# KiCad board SparkFun_BlueSMiRF-ESP32_panelized.kicad_pcb
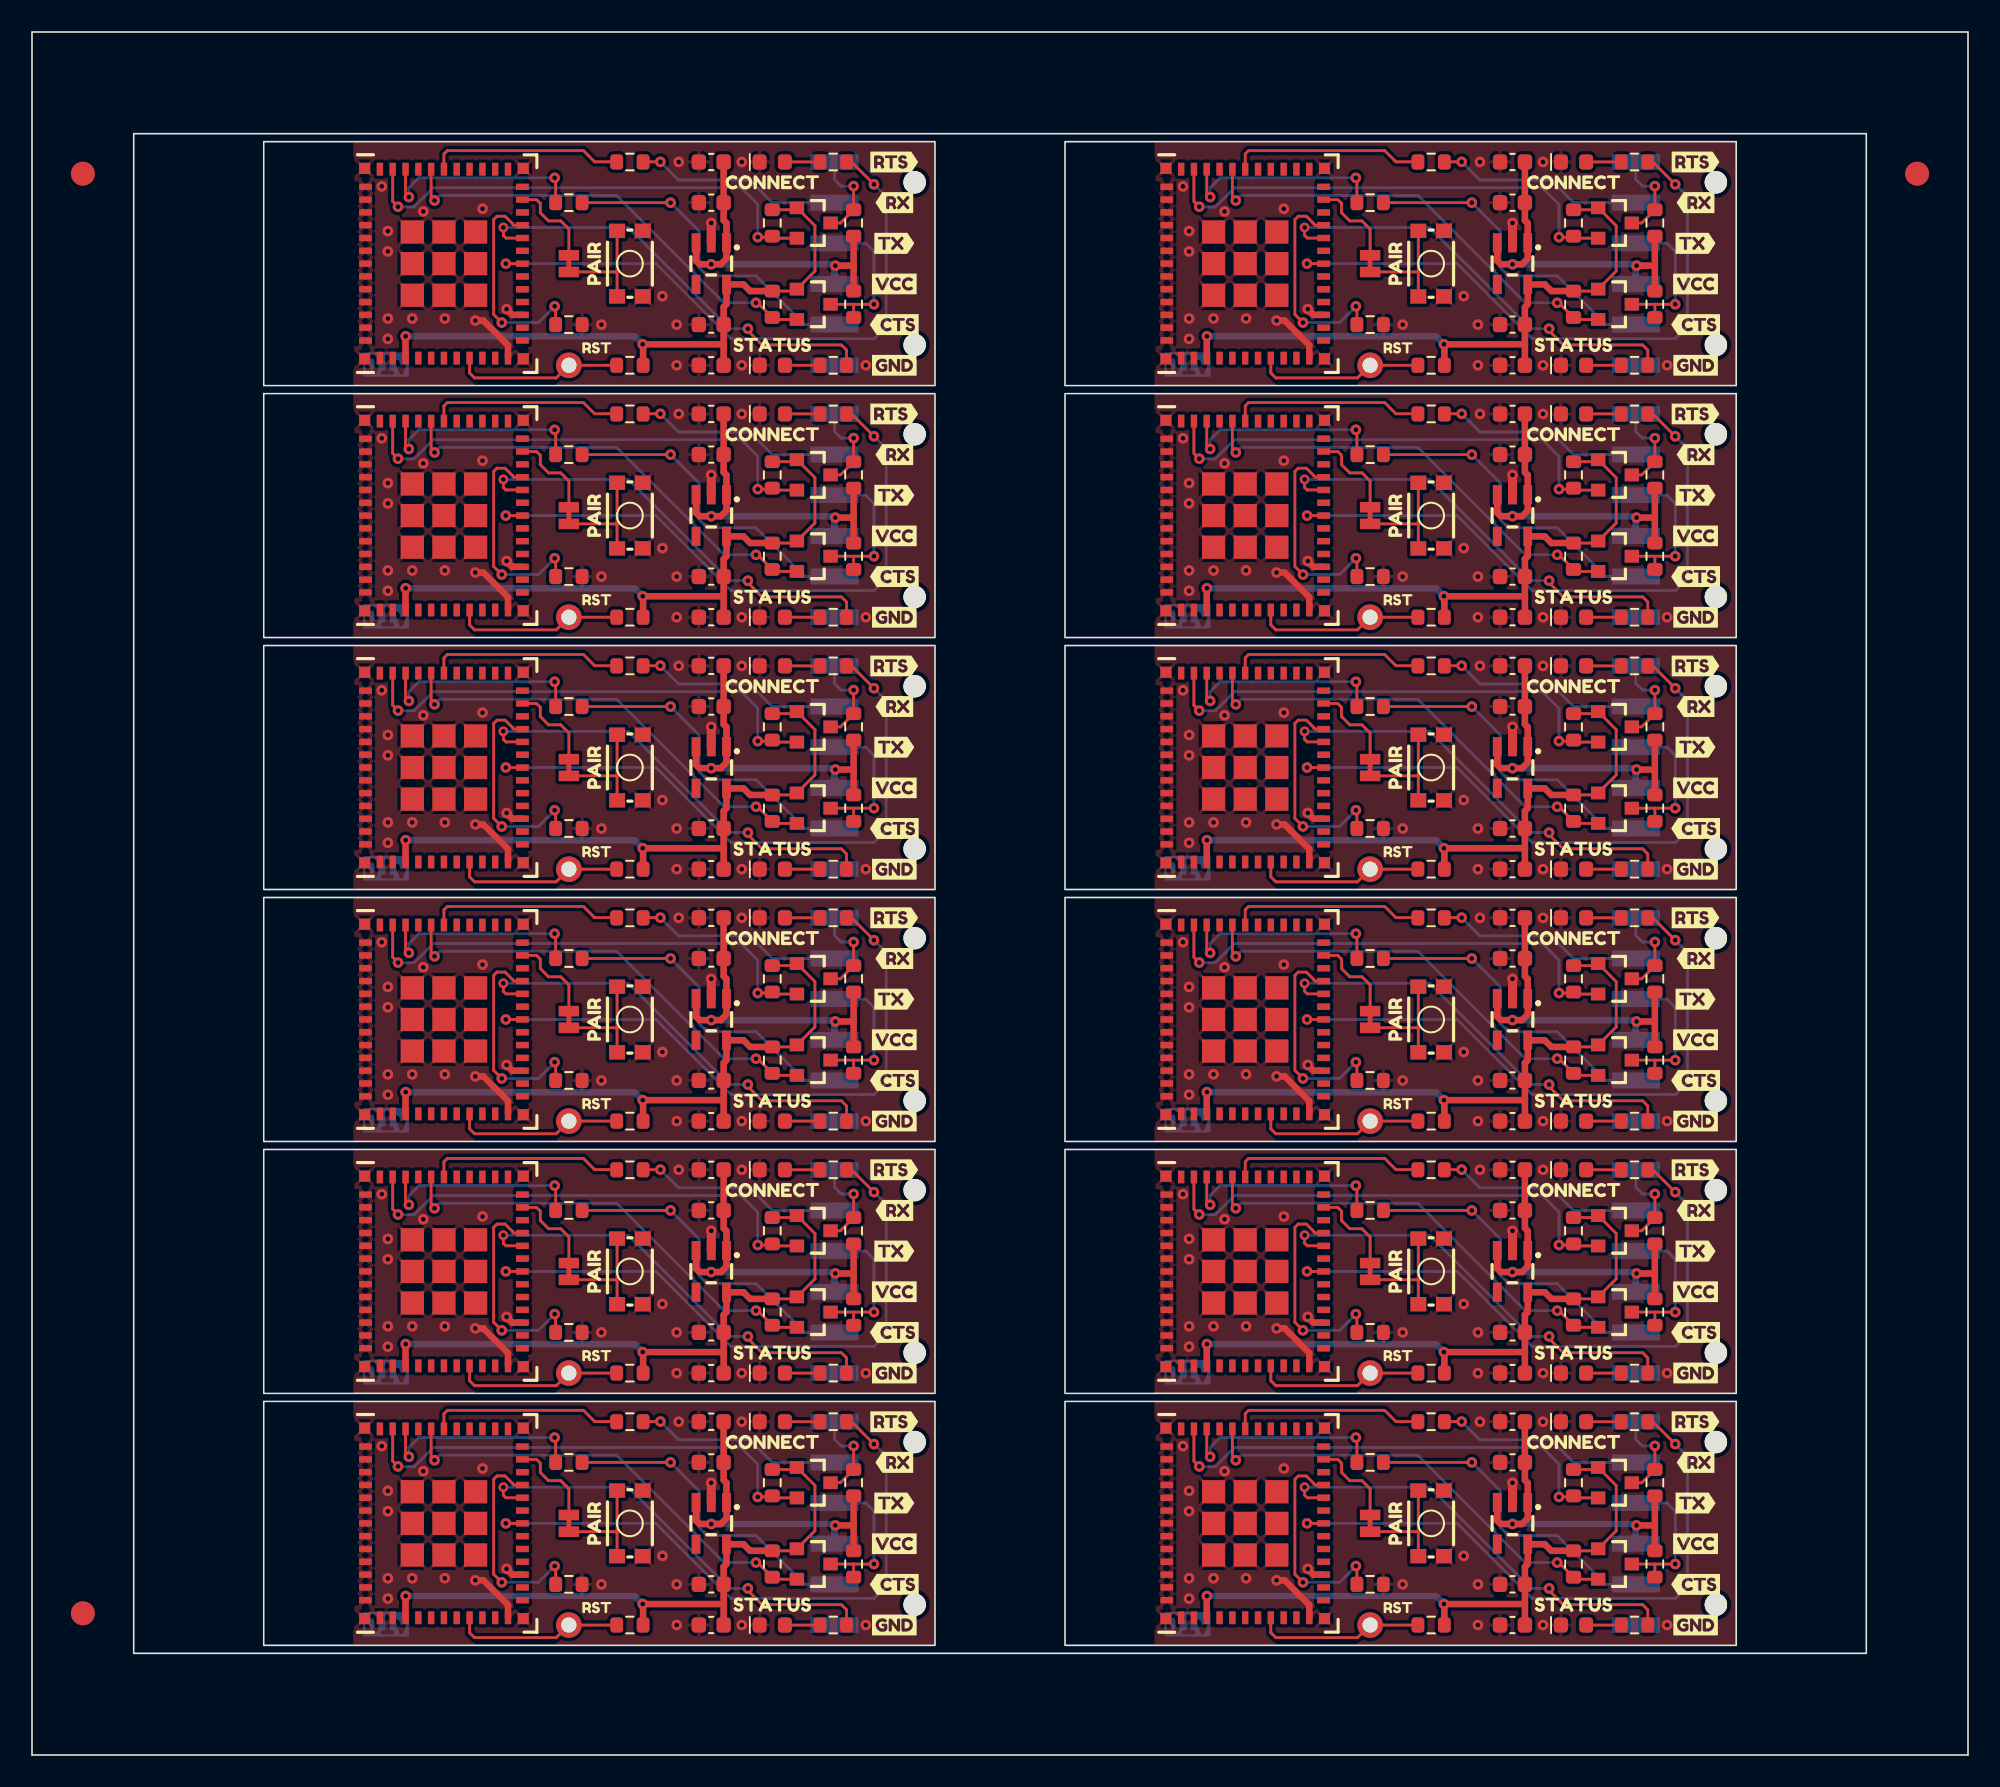
[diagram p0: board, top side]
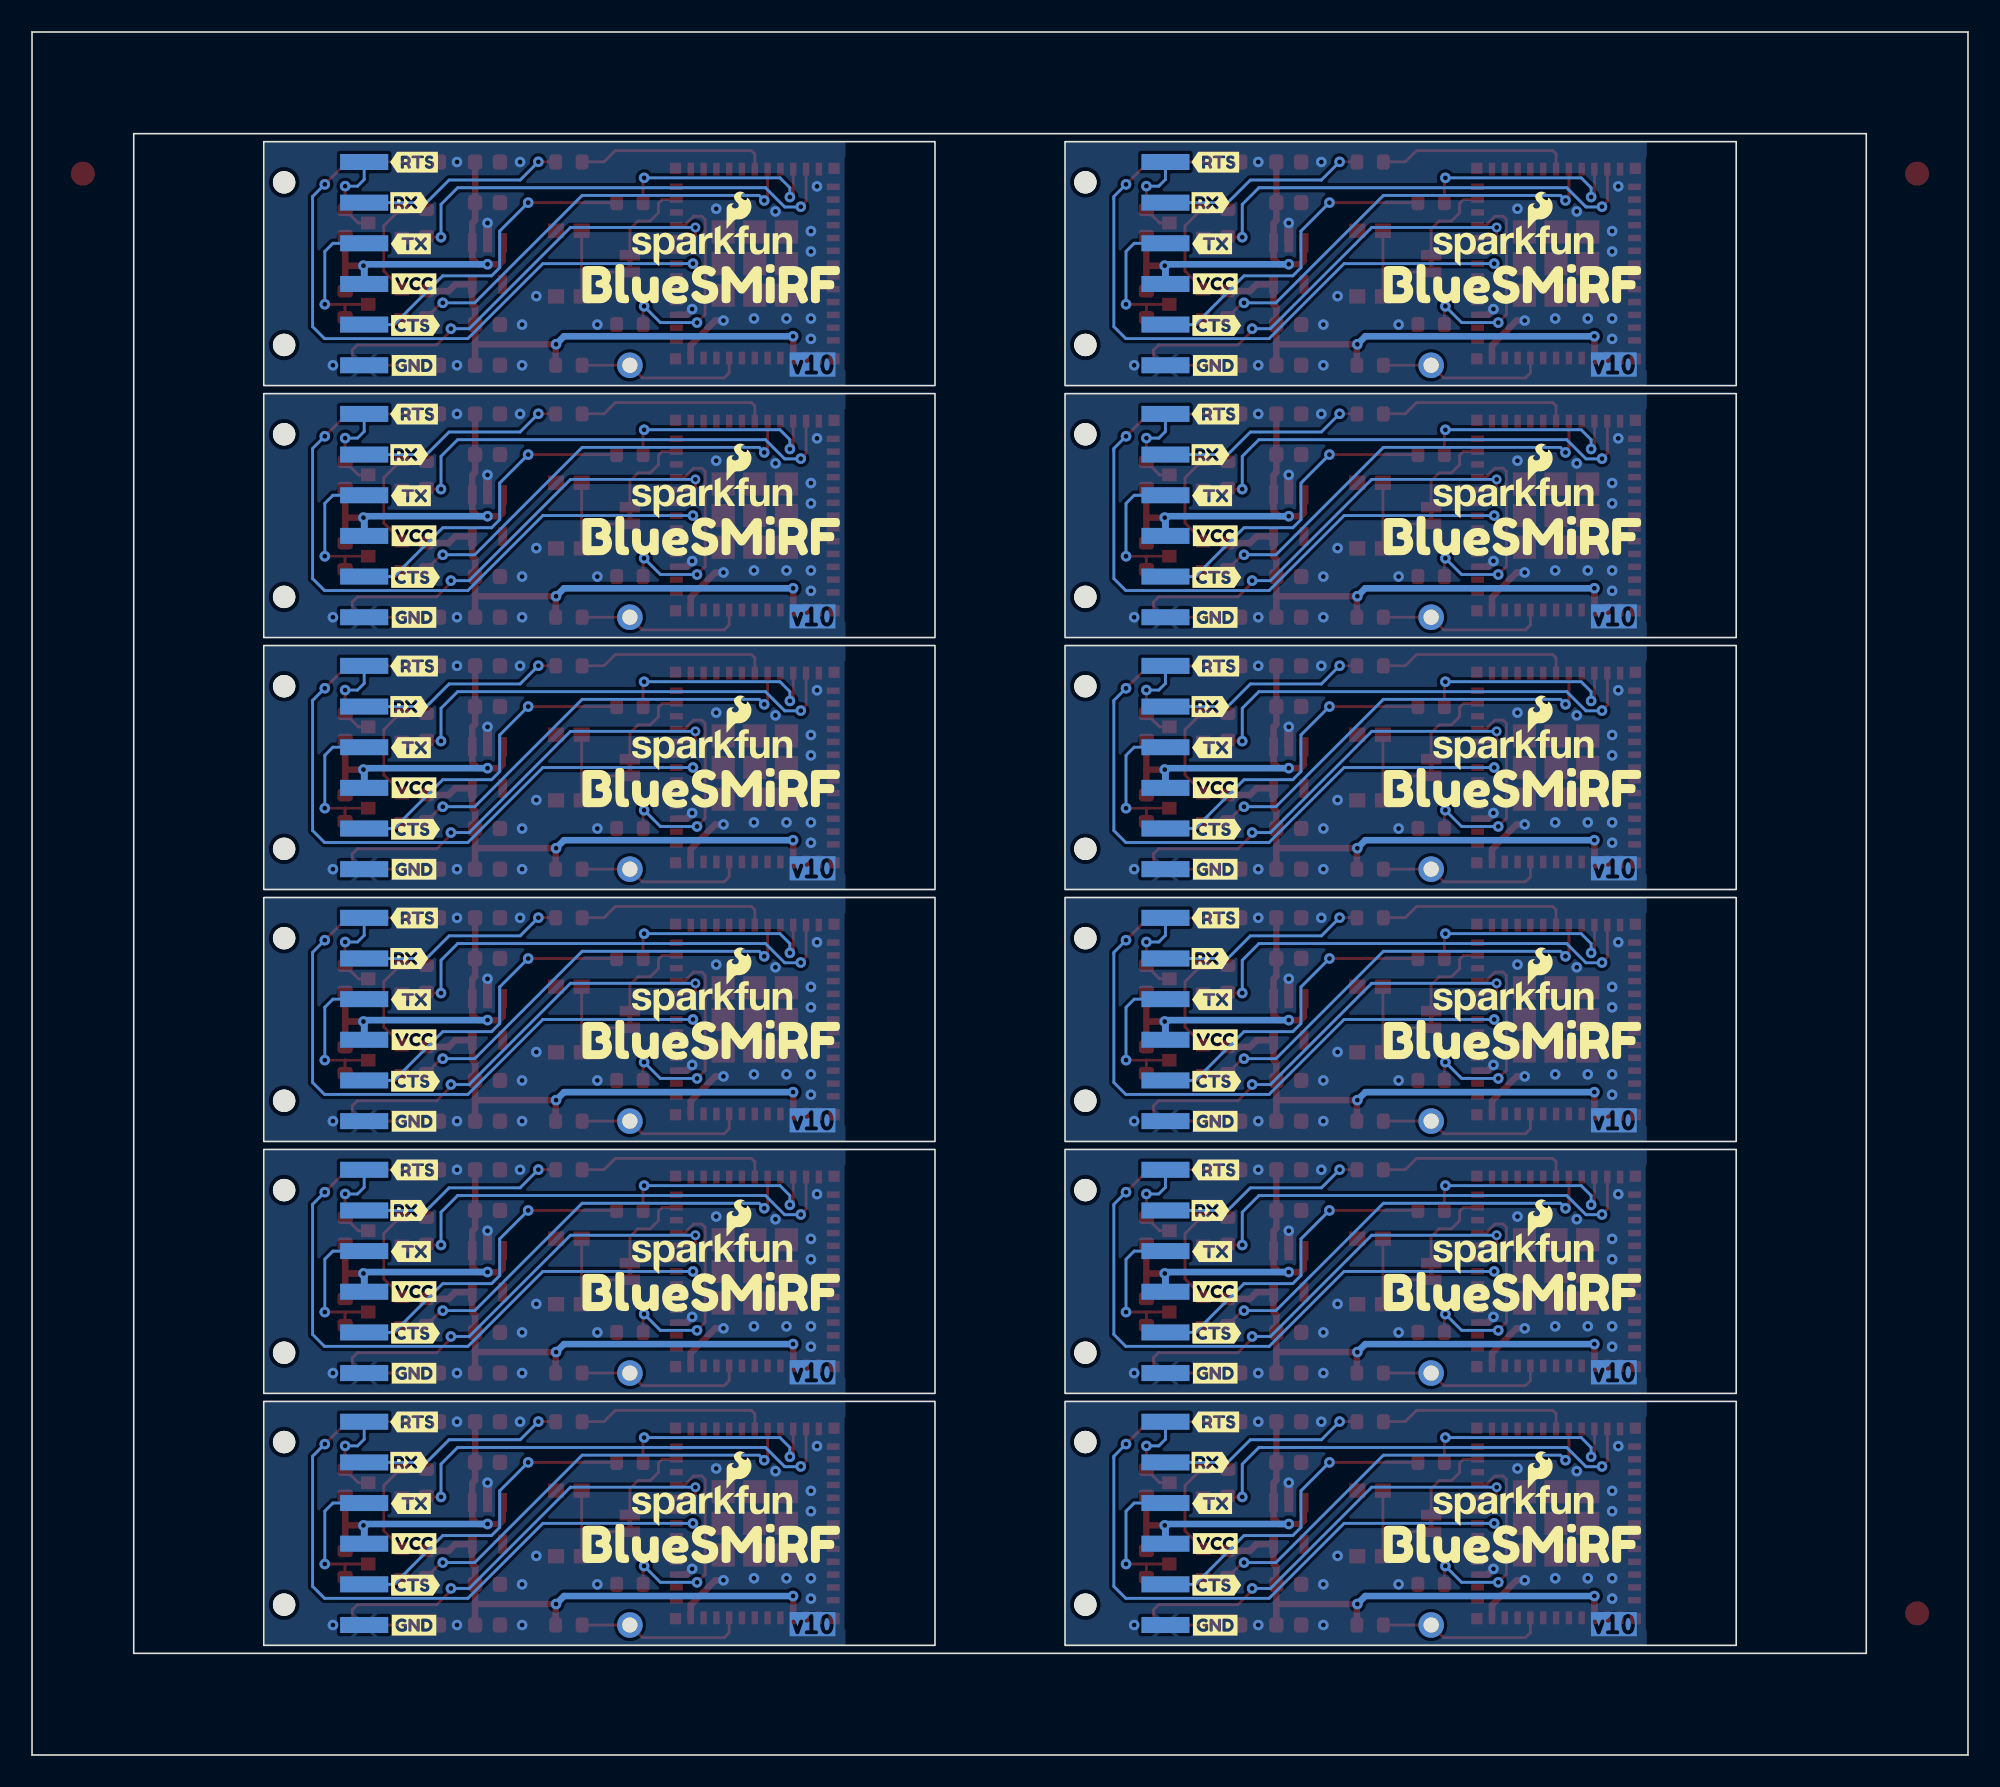
[diagram p1: board, bottom side, seen from below]

Outline 120.88 x 107.64 mm; copper layers: Top, Bottom. Coordinates in mm from the lower left corner of the outline.
Outline path: rectangle 14.47,100.79 56.38,85.55 ; rectangle 14.47,85.05 56.38,69.81 ; rectangle 14.47,69.31 56.38,54.07 ; rectangle 14.47,53.57 56.38,38.33 ; rectangle 14.47,37.83 56.38,22.59 ; rectangle 14.47,22.09 56.38,6.85 ; rectangle 64.5,100.79 106.41,85.55 ; rectangle 64.5,85.05 106.41,69.81 ; rectangle 64.5,69.31 106.41,54.07 ; rectangle 64.5,53.57 106.41,38.33 ; rectangle 64.5,37.83 106.41,22.59 ; rectangle 64.5,22.09 106.41,6.85 ; 0,107.64 120.88,107.64 120.88,0 0,0 0,107.64 ; 6.35,101.29 114.53,101.29 114.53,6.35 6.35,6.35 6.35,101.29
Stack: Top 0.035mm / dielectric 1.51mm FR4 er 4.5 / Bottom 0.035mm

## Placement (name value [footprint] x y rotation side)
C1  10uF  [C_0603_1608Metric]  42.41 18.28 180 top
C1#2  10uF  [C_0603_1608Metric]  92.44 34.02 180 top
C1#3  10uF  [C_0603_1608Metric]  42.41 65.5 180 top
C1#4  10uF  [C_0603_1608Metric]  42.41 49.76 180 top
C1#5  10uF  [C_0603_1608Metric]  42.41 34.02 180 top
C1#6  10uF  [C_0603_1608Metric]  42.41 81.24 180 top
C1#7  10uF  [C_0603_1608Metric]  42.41 96.98 180 top
C1#8  10uF  [C_0603_1608Metric]  92.44 49.76 180 top
C1#9  10uF  [C_0603_1608Metric]  92.44 65.5 180 top
C1#10  10uF  [C_0603_1608Metric]  92.44 81.24 180 top
C1#11  10uF  [C_0603_1608Metric]  92.44 18.28 180 top
C1#12  10uF  [C_0603_1608Metric]  92.44 96.98 180 top
C2  1.0uF  [C_0603_1608Metric]  42.41 8.12 180 top
C2#2  1.0uF  [C_0603_1608Metric]  42.41 39.6 180 top
C2#3  1.0uF  [C_0603_1608Metric]  92.44 71.08 180 top
C2#4  1.0uF  [C_0603_1608Metric]  42.41 55.34 180 top
C2#5  1.0uF  [C_0603_1608Metric]  92.44 8.12 180 top
C2#6  1.0uF  [C_0603_1608Metric]  42.41 86.82 180 top
C2#7  1.0uF  [C_0603_1608Metric]  92.44 39.6 180 top
C2#8  1.0uF  [C_0603_1608Metric]  42.41 71.08 180 top
C2#9  1.0uF  [C_0603_1608Metric]  92.44 55.34 180 top
C2#10  1.0uF  [C_0603_1608Metric]  42.41 23.86 180 top
C2#11  1.0uF  [C_0603_1608Metric]  92.44 23.86 180 top
C2#12  1.0uF  [C_0603_1608Metric]  92.44 86.82 180 top
C3  1.0uF  [C_0603_1608Metric]  42.41 20.82 180 top
C3#2  1.0uF  [C_0603_1608Metric]  42.41 36.56 180 top
C3#3  1.0uF  [C_0603_1608Metric]  42.41 68.04 180 top
C3#4  1.0uF  [C_0603_1608Metric]  92.44 52.3 180 top
C3#5  1.0uF  [C_0603_1608Metric]  42.41 52.3 180 top
C3#6  1.0uF  [C_0603_1608Metric]  42.41 83.78 180 top
C3#7  1.0uF  [C_0603_1608Metric]  42.41 99.52 180 top
C3#8  1.0uF  [C_0603_1608Metric]  92.44 20.82 180 top
C3#9  1.0uF  [C_0603_1608Metric]  92.44 36.56 180 top
C3#10  1.0uF  [C_0603_1608Metric]  92.44 99.52 180 top
C3#11  1.0uF  [C_0603_1608Metric]  92.44 68.04 180 top
C3#12  1.0uF  [C_0603_1608Metric]  92.44 83.78 180 top
C5  10uF  [C_0603_1608Metric]  92.44 73.62 180 top
C5#2  10uF  [C_0603_1608Metric]  42.41 26.4 180 top
C5#3  10uF  [C_0603_1608Metric]  42.41 42.14 180 top
C5#4  10uF  [C_0603_1608Metric]  42.41 73.62 180 top
C5#5  10uF  [C_0603_1608Metric]  92.44 26.4 180 top
C5#6  10uF  [C_0603_1608Metric]  92.44 42.14 180 top
C5#7  10uF  [C_0603_1608Metric]  92.44 89.36 180 top
C5#8  10uF  [C_0603_1608Metric]  92.44 10.66 180 top
C5#9  10uF  [C_0603_1608Metric]  92.44 57.88 180 top
C5#10  10uF  [C_0603_1608Metric]  42.41 89.36 180 top
C5#11  10uF  [C_0603_1608Metric]  42.41 57.88 180 top
C5#12  10uF  [C_0603_1608Metric]  42.41 10.66 180 top
D1  Green  [LED_0603_1608Metric]  46.22 36.56 0 top
D1#2  Green  [LED_0603_1608Metric]  46.22 20.82 0 top
D1#3  Green  [LED_0603_1608Metric]  46.22 68.04 0 top
D1#4  Green  [LED_0603_1608Metric]  46.22 52.3 0 top
D1#5  Green  [LED_0603_1608Metric]  46.22 83.78 0 top
D1#6  Green  [LED_0603_1608Metric]  96.25 20.82 0 top
D1#7  Green  [LED_0603_1608Metric]  96.25 52.3 0 top
D1#8  Green  [LED_0603_1608Metric]  96.25 99.52 0 top
D1#9  Green  [LED_0603_1608Metric]  46.22 99.52 0 top
D1#10  Green  [LED_0603_1608Metric]  96.25 36.56 0 top
D1#11  Green  [LED_0603_1608Metric]  96.25 68.04 0 top
D1#12  Green  [LED_0603_1608Metric]  96.25 83.78 0 top
D2  Red  [LED_0603_1608Metric]  46.22 8.12 0 top
D2#2  Red  [LED_0603_1608Metric]  96.25 86.82 0 top
D2#3  Red  [LED_0603_1608Metric]  46.22 39.6 0 top
D2#4  Red  [LED_0603_1608Metric]  46.22 55.34 0 top
D2#5  Red  [LED_0603_1608Metric]  46.22 23.86 0 top
D2#6  Red  [LED_0603_1608Metric]  96.25 23.86 0 top
D2#7  Red  [LED_0603_1608Metric]  96.25 39.6 0 top
D2#8  Red  [LED_0603_1608Metric]  46.22 71.08 0 top
D2#9  Red  [LED_0603_1608Metric]  96.25 8.12 0 top
D2#10  Red  [LED_0603_1608Metric]  96.25 55.34 0 top
D2#11  Red  [LED_0603_1608Metric]  46.22 86.82 0 top
D2#12  Red  [LED_0603_1608Metric]  96.25 71.08 0 top
G2  OSHW_Logo  [Creative_Commons_License]  37.33 -5.85 0 top
G***  LOGO  [SparkFun_Logo_10mm]  28.44 15.74 180 bottom
G***#2  LOGO  [SparkFun_Logo_10mm]  28.44 31.48 180 bottom
G***#3  LOGO  [SparkFun_Logo_10mm]  28.44 94.44 180 bottom
G***#4  LOGO  [SparkFun_Logo_10mm]  28.44 47.22 180 bottom
G***#5  LOGO  [SparkFun_Logo_10mm]  28.44 62.96 180 bottom
G***#6  LOGO  [SparkFun_Logo_10mm]  28.44 78.7 180 bottom
G***#7  LOGO  [SparkFun_Logo_10mm]  78.47 31.48 180 bottom
G***#8  LOGO  [SparkFun_Logo_10mm]  78.47 47.22 180 bottom
G***#9  LOGO  [SparkFun_Logo_10mm]  78.47 62.96 180 bottom
G***#10  LOGO  [SparkFun_Logo_10mm]  78.47 78.7 180 bottom
G***#11  LOGO  [SparkFun_Logo_10mm]  78.47 94.44 180 bottom
G***#12  LOGO  [SparkFun_Logo_10mm]  78.47 15.74 180 bottom
J2  Conn_01x06  [1X06-SMD_RA_MALE]  55.11 14.47 270 bottom
J2#2  Conn_01x06  [1X06-SMD_RA_MALE]  55.11 30.21 270 bottom
J2#3  Conn_01x06  [1X06-SMD_RA_MALE]  105.14 45.95 270 bottom
J2#4  Conn_01x06  [1X06-SMD_RA_MALE]  55.11 45.95 270 bottom
J2#5  Conn_01x06  [1X06-SMD_RA_MALE]  105.14 14.47 270 bottom
J2#6  Conn_01x06  [1X06-SMD_RA_MALE]  105.14 61.69 270 bottom
J2#7  Conn_01x06  [1X06-SMD_RA_MALE]  105.14 77.43 270 bottom
J2#8  Conn_01x06  [1X06-SMD_RA_MALE]  55.11 61.69 270 bottom
J2#9  Conn_01x06  [1X06-SMD_RA_MALE]  55.11 93.17 270 bottom
J2#10  Conn_01x06  [1X06-SMD_RA_MALE]  55.11 77.43 270 bottom
J2#11  Conn_01x06  [1X06-SMD_RA_MALE]  105.14 93.17 270 bottom
J2#12  Conn_01x06  [1X06-SMD_RA_MALE]  105.14 30.21 270 bottom
JP1  ~  [SMT-JUMPER_2_NC_TRACE_NO-SILK]  33.52 77.43 90 top
JP1#2  ~  [SMT-JUMPER_2_NC_TRACE_NO-SILK]  83.55 77.43 90 top
JP1#3  ~  [SMT-JUMPER_2_NC_TRACE_NO-SILK]  83.55 93.17 90 top
JP1#4  ~  [SMT-JUMPER_2_NC_TRACE_NO-SILK]  33.52 93.17 90 top
JP1#5  ~  [SMT-JUMPER_2_NC_TRACE_NO-SILK]  83.55 61.69 90 top
JP1#6  ~  [SMT-JUMPER_2_NC_TRACE_NO-SILK]  83.55 14.47 90 top
JP1#7  ~  [SMT-JUMPER_2_NC_TRACE_NO-SILK]  83.55 30.21 90 top
JP1#8  ~  [SMT-JUMPER_2_NC_TRACE_NO-SILK]  33.52 61.69 90 top
JP1#9  ~  [SMT-JUMPER_2_NC_TRACE_NO-SILK]  83.55 45.95 90 top
JP1#10  ~  [SMT-JUMPER_2_NC_TRACE_NO-SILK]  33.52 45.95 90 top
JP1#11  ~  [SMT-JUMPER_2_NC_TRACE_NO-SILK]  33.52 30.21 90 top
JP1#12  ~  [SMT-JUMPER_2_NC_TRACE_NO-SILK]  33.52 14.47 90 top
kibuzzard-64C47E8F  G***  [kibuzzard-64C47E8F]  96.25 19.55 0 top
kibuzzard-64C47E8F#2  G***  [kibuzzard-64C47E8F]  46.22 35.29 0 top
kibuzzard-64C47E8F#3  G***  [kibuzzard-64C47E8F]  46.22 51.03 0 top
kibuzzard-64C47E8F#4  G***  [kibuzzard-64C47E8F]  46.22 82.51 0 top
kibuzzard-64C47E8F#5  G***  [kibuzzard-64C47E8F]  46.22 98.25 0 top
kibuzzard-64C47E8F#6  G***  [kibuzzard-64C47E8F]  46.22 66.77 0 top
kibuzzard-64C47E8F#7  G***  [kibuzzard-64C47E8F]  96.25 98.25 0 top
kibuzzard-64C47E8F#8  G***  [kibuzzard-64C47E8F]  96.25 51.03 0 top
kibuzzard-64C47E8F#9  G***  [kibuzzard-64C47E8F]  96.25 35.29 0 top
kibuzzard-64C47E8F#10  G***  [kibuzzard-64C47E8F]  96.25 66.77 0 top
kibuzzard-64C47E8F#11  G***  [kibuzzard-64C47E8F]  96.25 82.51 0 top
kibuzzard-64C47E8F#12  G***  [kibuzzard-64C47E8F]  46.22 19.55 0 top
kibuzzard-64C47E89  G***  [kibuzzard-64C47E89]  46.22 25.13 0 top
kibuzzard-64C47E89#2  G***  [kibuzzard-64C47E89]  46.22 56.61 0 top
kibuzzard-64C47E89#3  G***  [kibuzzard-64C47E89]  46.22 40.87 0 top
kibuzzard-64C47E89#4  G***  [kibuzzard-64C47E89]  46.22 72.35 0 top
kibuzzard-64C47E89#5  G***  [kibuzzard-64C47E89]  46.22 88.09 0 top
kibuzzard-64C47E89#6  G***  [kibuzzard-64C47E89]  96.25 40.87 0 top
kibuzzard-64C47E89#7  G***  [kibuzzard-64C47E89]  96.25 72.35 0 top
kibuzzard-64C47E89#8  G***  [kibuzzard-64C47E89]  96.25 88.09 0 top
kibuzzard-64C47E89#9  G***  [kibuzzard-64C47E89]  96.25 56.61 0 top
kibuzzard-64C47E89#10  G***  [kibuzzard-64C47E89]  96.25 25.13 0 top
kibuzzard-64C47E89#11  G***  [kibuzzard-64C47E89]  96.25 9.39 0 top
kibuzzard-64C47E89#12  G***  [kibuzzard-64C47E89]  46.22 9.39 0 top
kibuzzard-64C47F40  G***  [kibuzzard-64C47F40]  28.44 13.2 180 bottom
kibuzzard-64C47F40#2  G***  [kibuzzard-64C47F40]  28.44 44.68 180 bottom
kibuzzard-64C47F40#3  G***  [kibuzzard-64C47F40]  28.44 76.16 180 bottom
kibuzzard-64C47F40#4  G***  [kibuzzard-64C47F40]  78.47 44.68 180 bottom
kibuzzard-64C47F40#5  G***  [kibuzzard-64C47F40]  28.44 91.9 180 bottom
kibuzzard-64C47F40#6  G***  [kibuzzard-64C47F40]  78.47 28.94 180 bottom
kibuzzard-64C47F40#7  G***  [kibuzzard-64C47F40]  28.44 28.94 180 bottom
kibuzzard-64C47F40#8  G***  [kibuzzard-64C47F40]  78.47 13.2 180 bottom
kibuzzard-64C47F40#9  G***  [kibuzzard-64C47F40]  78.47 60.42 180 bottom
kibuzzard-64C47F40#10  G***  [kibuzzard-64C47F40]  28.44 60.42 180 bottom
kibuzzard-64C47F40#11  G***  [kibuzzard-64C47F40]  78.47 76.16 180 bottom
kibuzzard-64C47F40#12  G***  [kibuzzard-64C47F40]  78.47 91.9 180 bottom
kibuzzard-64C483A5  G***  [kibuzzard-64C483A5]  46.9 10.61 180 bottom
kibuzzard-64C483A5#2  G***  [kibuzzard-64C483A5]  96.93 10.61 180 bottom
kibuzzard-64C483A5#3  G***  [kibuzzard-64C483A5]  46.9 26.35 180 bottom
kibuzzard-64C483A5#4  G***  [kibuzzard-64C483A5]  46.9 42.09 180 bottom
kibuzzard-64C483A5#5  G***  [kibuzzard-64C483A5]  46.9 57.83 180 bottom
kibuzzard-64C483A5#6  G***  [kibuzzard-64C483A5]  46.9 73.57 180 bottom
kibuzzard-64C483A5#7  G***  [kibuzzard-64C483A5]  46.9 89.31 180 bottom
kibuzzard-64C483A5#8  G***  [kibuzzard-64C483A5]  96.93 42.09 180 bottom
kibuzzard-64C483A5#9  G***  [kibuzzard-64C483A5]  96.93 73.57 180 bottom
kibuzzard-64C483A5#10  G***  [kibuzzard-64C483A5]  96.93 26.35 180 bottom
kibuzzard-64C483A5#11  G***  [kibuzzard-64C483A5]  96.93 89.31 180 bottom
kibuzzard-64C483A5#12  G***  [kibuzzard-64C483A5]  96.93 57.83 180 bottom
kibuzzard-64C483E5  G***  [kibuzzard-64C483E5]  47 8.11 180 bottom
kibuzzard-64C483E5#2  G***  [kibuzzard-64C483E5]  47 39.59 180 bottom
kibuzzard-64C483E5#3  G***  [kibuzzard-64C483E5]  47 23.85 180 bottom
kibuzzard-64C483E5#4  G***  [kibuzzard-64C483E5]  47 71.07 180 bottom
kibuzzard-64C483E5#5  G***  [kibuzzard-64C483E5]  97.03 8.11 180 bottom
kibuzzard-64C483E5#6  G***  [kibuzzard-64C483E5]  97.03 55.33 180 bottom
kibuzzard-64C483E5#7  G***  [kibuzzard-64C483E5]  47 55.33 180 bottom
kibuzzard-64C483E5#8  G***  [kibuzzard-64C483E5]  97.03 23.85 180 bottom
kibuzzard-64C483E5#9  G***  [kibuzzard-64C483E5]  97.03 39.59 180 bottom
kibuzzard-64C483E5#10  G***  [kibuzzard-64C483E5]  97.03 71.07 180 bottom
kibuzzard-64C483E5#11  G***  [kibuzzard-64C483E5]  97.03 86.81 180 bottom
kibuzzard-64C483E5#12  G***  [kibuzzard-64C483E5]  47 86.81 180 bottom
kibuzzard-64C484A1  G***  [kibuzzard-64C484A1]  53.84 10.66 0 top
kibuzzard-64C484A1#2  G***  [kibuzzard-64C484A1]  53.84 26.4 0 top
kibuzzard-64C484A1#3  G***  [kibuzzard-64C484A1]  53.84 73.62 0 top
kibuzzard-64C484A1#4  G***  [kibuzzard-64C484A1]  103.87 10.66 0 top
kibuzzard-64C484A1#5  G***  [kibuzzard-64C484A1]  103.87 42.14 0 top
kibuzzard-64C484A1#6  G***  [kibuzzard-64C484A1]  103.87 73.62 0 top
kibuzzard-64C484A1#7  G***  [kibuzzard-64C484A1]  53.84 42.14 0 top
kibuzzard-64C484A1#8  G***  [kibuzzard-64C484A1]  103.87 89.36 0 top
kibuzzard-64C484A1#9  G***  [kibuzzard-64C484A1]  53.84 57.88 0 top
kibuzzard-64C484A1#10  G***  [kibuzzard-64C484A1]  53.84 89.36 0 top
kibuzzard-64C484A1#11  G***  [kibuzzard-64C484A1]  103.87 26.4 0 top
kibuzzard-64C484A1#12  G***  [kibuzzard-64C484A1]  103.87 57.88 0 top
kibuzzard-64C484B8  G***  [kibuzzard-64C484B8]  47 20.81 180 bottom
kibuzzard-64C484B8#2  G***  [kibuzzard-64C484B8]  47 36.55 180 bottom
kibuzzard-64C484B8#3  G***  [kibuzzard-64C484B8]  47 83.77 180 bottom
kibuzzard-64C484B8#4  G***  [kibuzzard-64C484B8]  47 68.03 180 bottom
kibuzzard-64C484B8#5  G***  [kibuzzard-64C484B8]  47 52.29 180 bottom
kibuzzard-64C484B8#6  G***  [kibuzzard-64C484B8]  97.03 20.81 180 bottom
kibuzzard-64C484B8#7  G***  [kibuzzard-64C484B8]  97.03 36.55 180 bottom
kibuzzard-64C484B8#8  G***  [kibuzzard-64C484B8]  97.03 99.51 180 bottom
kibuzzard-64C484B8#9  G***  [kibuzzard-64C484B8]  47 99.51 180 bottom
kibuzzard-64C484B8#10  G***  [kibuzzard-64C484B8]  97.03 68.03 180 bottom
kibuzzard-64C484B8#11  G***  [kibuzzard-64C484B8]  97.03 83.77 180 bottom
kibuzzard-64C484B8#12  G***  [kibuzzard-64C484B8]  97.03 52.29 180 bottom
kibuzzard-64C4837C  G***  [kibuzzard-64C4837C]  47 13.21 180 bottom
kibuzzard-64C4837C#2  G***  [kibuzzard-64C4837C]  97.03 44.69 180 bottom
kibuzzard-64C4837C#3  G***  [kibuzzard-64C4837C]  97.03 13.21 180 bottom
kibuzzard-64C4837C#4  G***  [kibuzzard-64C4837C]  47 60.43 180 bottom
kibuzzard-64C4837C#5  G***  [kibuzzard-64C4837C]  47 76.17 180 bottom
kibuzzard-64C4837C#6  G***  [kibuzzard-64C4837C]  47 44.69 180 bottom
kibuzzard-64C4837C#7  G***  [kibuzzard-64C4837C]  47 28.95 180 bottom
kibuzzard-64C4837C#8  G***  [kibuzzard-64C4837C]  47 91.91 180 bottom
kibuzzard-64C4837C#9  G***  [kibuzzard-64C4837C]  97.03 28.95 180 bottom
kibuzzard-64C4837C#10  G***  [kibuzzard-64C4837C]  97.03 60.43 180 bottom
kibuzzard-64C4837C#11  G***  [kibuzzard-64C4837C]  97.03 76.17 180 bottom
kibuzzard-64C4837C#12  G***  [kibuzzard-64C4837C]  97.03 91.91 180 bottom
kibuzzard-64C4844B  G***  [kibuzzard-64C4844B]  103.87 31.48 0 top
kibuzzard-64C4844B#2  G***  [kibuzzard-64C4844B]  103.87 47.22 0 top
kibuzzard-64C4844B#3  G***  [kibuzzard-64C4844B]  103.87 15.74 0 top
kibuzzard-64C4844B#4  G***  [kibuzzard-64C4844B]  103.87 62.96 0 top
kibuzzard-64C4844B#5  G***  [kibuzzard-64C4844B]  103.87 78.7 0 top
kibuzzard-64C4844B#6  G***  [kibuzzard-64C4844B]  103.87 94.44 0 top
kibuzzard-64C4844B#7  G***  [kibuzzard-64C4844B]  53.84 94.44 0 top
kibuzzard-64C4844B#8  G***  [kibuzzard-64C4844B]  53.84 47.22 0 top
kibuzzard-64C4844B#9  G***  [kibuzzard-64C4844B]  53.84 78.7 0 top
kibuzzard-64C4844B#10  G***  [kibuzzard-64C4844B]  53.84 31.48 0 top
kibuzzard-64C4844B#11  G***  [kibuzzard-64C4844B]  53.84 62.96 0 top
kibuzzard-64C4844B#12  G***  [kibuzzard-64C4844B]  53.84 15.74 0 top
kibuzzard-64C4846C  G***  [kibuzzard-64C4846C]  103.87 23.86 0 top
kibuzzard-64C4846C#2  G***  [kibuzzard-64C4846C]  53.84 8.12 0 top
kibuzzard-64C4846C#3  G***  [kibuzzard-64C4846C]  53.84 55.34 0 top
kibuzzard-64C4846C#4  G***  [kibuzzard-64C4846C]  53.84 39.6 0 top
kibuzzard-64C4846C#5  G***  [kibuzzard-64C4846C]  53.84 23.86 0 top
kibuzzard-64C4846C#6  G***  [kibuzzard-64C4846C]  53.84 71.08 0 top
kibuzzard-64C4846C#7  G***  [kibuzzard-64C4846C]  103.87 71.08 0 top
kibuzzard-64C4846C#8  G***  [kibuzzard-64C4846C]  53.84 86.82 0 top
kibuzzard-64C4846C#9  G***  [kibuzzard-64C4846C]  103.87 39.6 0 top
kibuzzard-64C4846C#10  G***  [kibuzzard-64C4846C]  103.87 55.34 0 top
kibuzzard-64C4846C#11  G***  [kibuzzard-64C4846C]  103.87 8.12 0 top
kibuzzard-64C4846C#12  G***  [kibuzzard-64C4846C]  103.87 86.82 0 top
kibuzzard-64C48117  G***  [kibuzzard-64C48117]  35.1 14.47 90 top
kibuzzard-64C48117#2  G***  [kibuzzard-64C48117]  35.1 61.69 90 top
kibuzzard-64C48117#3  G***  [kibuzzard-64C48117]  35.1 93.17 90 top
kibuzzard-64C48117#4  G***  [kibuzzard-64C48117]  35.1 30.21 90 top
kibuzzard-64C48117#5  G***  [kibuzzard-64C48117]  35.1 45.95 90 top
kibuzzard-64C48117#6  G***  [kibuzzard-64C48117]  35.1 77.43 90 top
kibuzzard-64C48117#7  G***  [kibuzzard-64C48117]  85.13 45.95 90 top
kibuzzard-64C48117#8  G***  [kibuzzard-64C48117]  85.13 77.43 90 top
kibuzzard-64C48117#9  G***  [kibuzzard-64C48117]  85.13 30.21 90 top
kibuzzard-64C48117#10  G***  [kibuzzard-64C48117]  85.13 93.17 90 top
kibuzzard-64C48117#11  G***  [kibuzzard-64C48117]  85.13 14.47 90 top
kibuzzard-64C48117#12  G***  [kibuzzard-64C48117]  85.13 61.69 90 top
kibuzzard-64C48159  G***  [kibuzzard-64C48159]  35.26 87.91 0 top
kibuzzard-64C48159#2  G***  [kibuzzard-64C48159]  35.26 24.95 0 top
kibuzzard-64C48159#3  G***  [kibuzzard-64C48159]  35.26 40.69 0 top
kibuzzard-64C48159#4  G***  [kibuzzard-64C48159]  35.26 72.17 0 top
kibuzzard-64C48159#5  G***  [kibuzzard-64C48159]  35.26 56.43 0 top
kibuzzard-64C48159#6  G***  [kibuzzard-64C48159]  85.29 9.21 0 top
kibuzzard-64C48159#7  G***  [kibuzzard-64C48159]  85.29 56.43 0 top
kibuzzard-64C48159#8  G***  [kibuzzard-64C48159]  85.29 72.17 0 top
kibuzzard-64C48159#9  G***  [kibuzzard-64C48159]  85.29 87.91 0 top
kibuzzard-64C48159#10  G***  [kibuzzard-64C48159]  85.29 40.69 0 top
kibuzzard-64C48159#11  G***  [kibuzzard-64C48159]  85.29 24.95 0 top
kibuzzard-64C48159#12  G***  [kibuzzard-64C48159]  35.26 9.21 0 top
kibuzzard-64C48347  G***  [kibuzzard-64C48347]  47.3 18.28 180 bottom
kibuzzard-64C48347#2  G***  [kibuzzard-64C48347]  97.33 34.02 180 bottom
kibuzzard-64C48347#3  G***  [kibuzzard-64C48347]  47.3 81.24 180 bottom
kibuzzard-64C48347#4  G***  [kibuzzard-64C48347]  47.3 65.5 180 bottom
kibuzzard-64C48347#5  G***  [kibuzzard-64C48347]  47.3 96.98 180 bottom
kibuzzard-64C48347#6  G***  [kibuzzard-64C48347]  47.3 34.02 180 bottom
kibuzzard-64C48347#7  G***  [kibuzzard-64C48347]  47.3 49.76 180 bottom
kibuzzard-64C48347#8  G***  [kibuzzard-64C48347]  97.33 65.5 180 bottom
kibuzzard-64C48347#9  G***  [kibuzzard-64C48347]  97.33 18.28 180 bottom
kibuzzard-64C48347#10  G***  [kibuzzard-64C48347]  97.33 49.76 180 bottom
kibuzzard-64C48347#11  G***  [kibuzzard-64C48347]  97.33 81.24 180 bottom
kibuzzard-64C48347#12  G***  [kibuzzard-64C48347]  97.33 96.98 180 bottom
kibuzzard-64C48410  G***  [kibuzzard-64C48410]  53.84 20.82 0 top
kibuzzard-64C48410#2  G***  [kibuzzard-64C48410]  53.84 36.56 0 top
kibuzzard-64C48410#3  G***  [kibuzzard-64C48410]  53.84 52.3 0 top
kibuzzard-64C48410#4  G***  [kibuzzard-64C48410]  103.87 52.3 0 top
kibuzzard-64C48410#5  G***  [kibuzzard-64C48410]  103.87 36.56 0 top
kibuzzard-64C48410#6  G***  [kibuzzard-64C48410]  53.84 99.52 0 top
kibuzzard-64C48410#7  G***  [kibuzzard-64C48410]  103.87 99.52 0 top
kibuzzard-64C48410#8  G***  [kibuzzard-64C48410]  53.84 83.78 0 top
kibuzzard-64C48410#9  G***  [kibuzzard-64C48410]  103.87 20.82 0 top
kibuzzard-64C48410#10  G***  [kibuzzard-64C48410]  103.87 68.04 0 top
kibuzzard-64C48410#11  G***  [kibuzzard-64C48410]  103.87 83.78 0 top
kibuzzard-64C48410#12  G***  [kibuzzard-64C48410]  53.84 68.04 0 top
kibuzzard-64C48455  G***  [kibuzzard-64C48455]  53.84 13.2 0 top
kibuzzard-64C48455#2  G***  [kibuzzard-64C48455]  53.84 91.9 0 top
kibuzzard-64C48455#3  G***  [kibuzzard-64C48455]  103.87 44.68 0 top
kibuzzard-64C48455#4  G***  [kibuzzard-64C48455]  53.84 60.42 0 top
kibuzzard-64C48455#5  G***  [kibuzzard-64C48455]  103.87 13.2 0 top
kibuzzard-64C48455#6  G***  [kibuzzard-64C48455]  103.87 91.9 0 top
kibuzzard-64C48455#7  G***  [kibuzzard-64C48455]  53.84 28.94 0 top
kibuzzard-64C48455#8  G***  [kibuzzard-64C48455]  53.84 44.68 0 top
kibuzzard-64C48455#9  G***  [kibuzzard-64C48455]  53.84 76.16 0 top
kibuzzard-64C48455#10  G***  [kibuzzard-64C48455]  103.87 28.94 0 top
kibuzzard-64C48455#11  G***  [kibuzzard-64C48455]  103.87 60.42 0 top
kibuzzard-64C48455#12  G***  [kibuzzard-64C48455]  103.87 76.16 0 top
kibuzzard-64C48496  G***  [kibuzzard-64C48496]  53.84 18.28 0 top
kibuzzard-64C48496#2  G***  [kibuzzard-64C48496]  53.84 81.24 0 top
kibuzzard-64C48496#3  G***  [kibuzzard-64C48496]  103.87 96.98 0 top
kibuzzard-64C48496#4  G***  [kibuzzard-64C48496]  53.84 65.5 0 top
kibuzzard-64C48496#5  G***  [kibuzzard-64C48496]  53.84 49.76 0 top
kibuzzard-64C48496#6  G***  [kibuzzard-64C48496]  103.87 81.24 0 top
kibuzzard-64C48496#7  G***  [kibuzzard-64C48496]  103.87 18.28 0 top
kibuzzard-64C48496#8  G***  [kibuzzard-64C48496]  53.84 34.02 0 top
kibuzzard-64C48496#9  G***  [kibuzzard-64C48496]  103.87 34.02 0 top
kibuzzard-64C48496#10  G***  [kibuzzard-64C48496]  103.87 65.5 0 top
kibuzzard-64C48496#11  G***  [kibuzzard-64C48496]  103.87 49.76 0 top